# Altium PCB 主控.PcbDoc
Units mil, origin at the board's own origin, x right, y up, seen from the top; angles counter-clockwise.
Board outline 6692.91 x 3543.31 mil, 2 copper layers (Top Layer, Bottom Layer); 64 components, 87 nets, 357 pads, 104 vias.
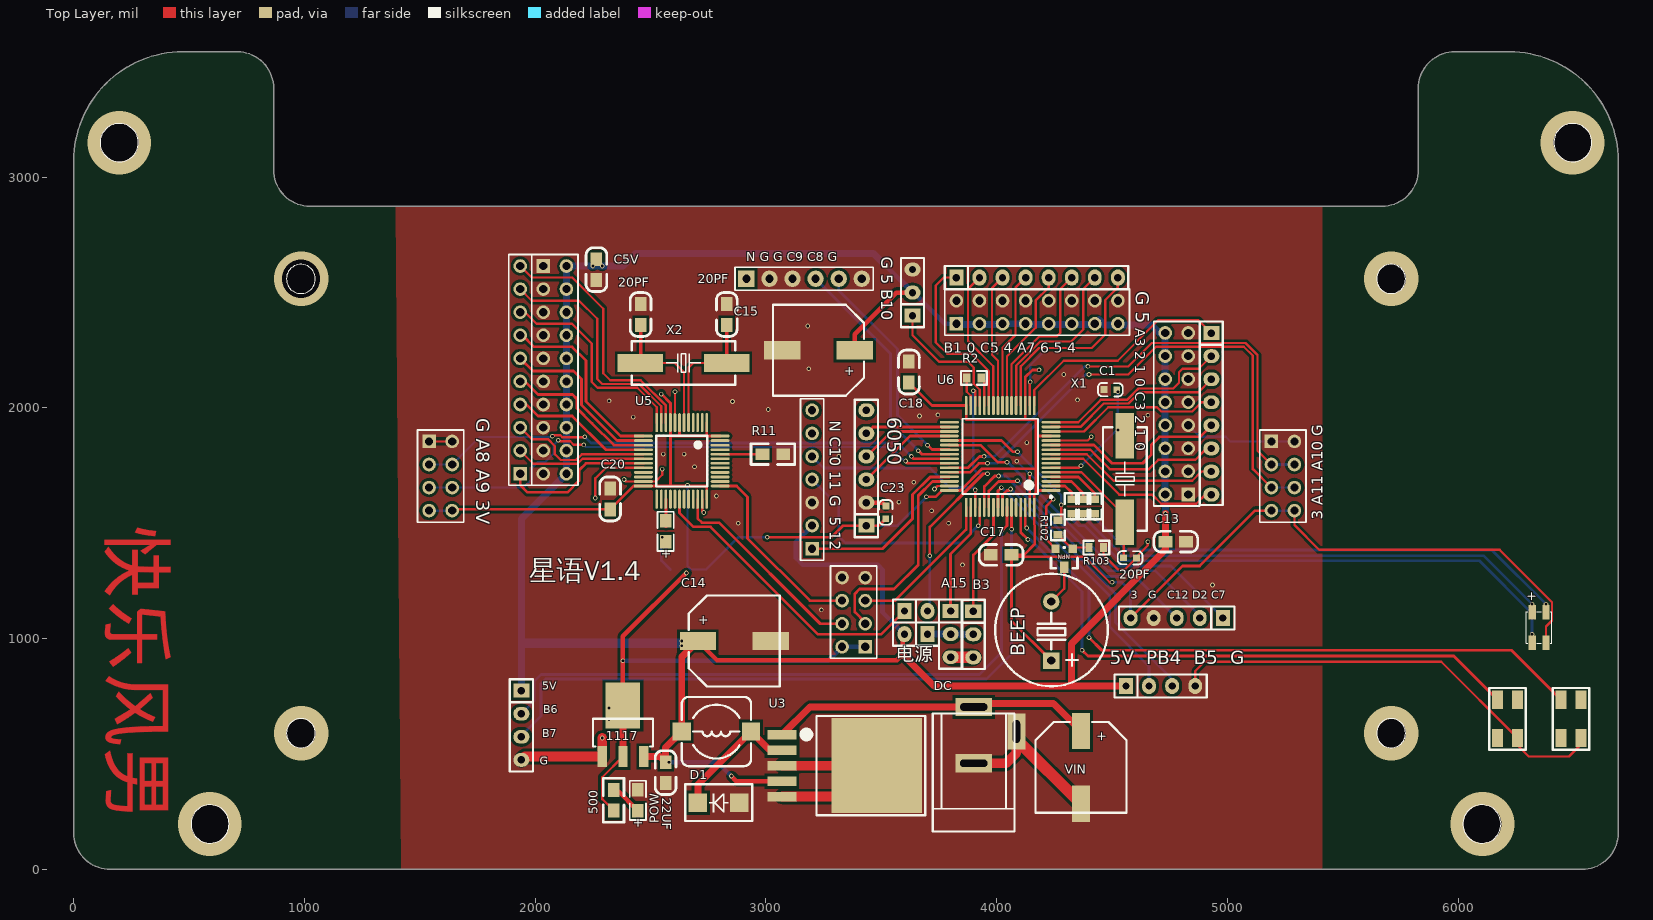
[diagram p0: Top Layer view]
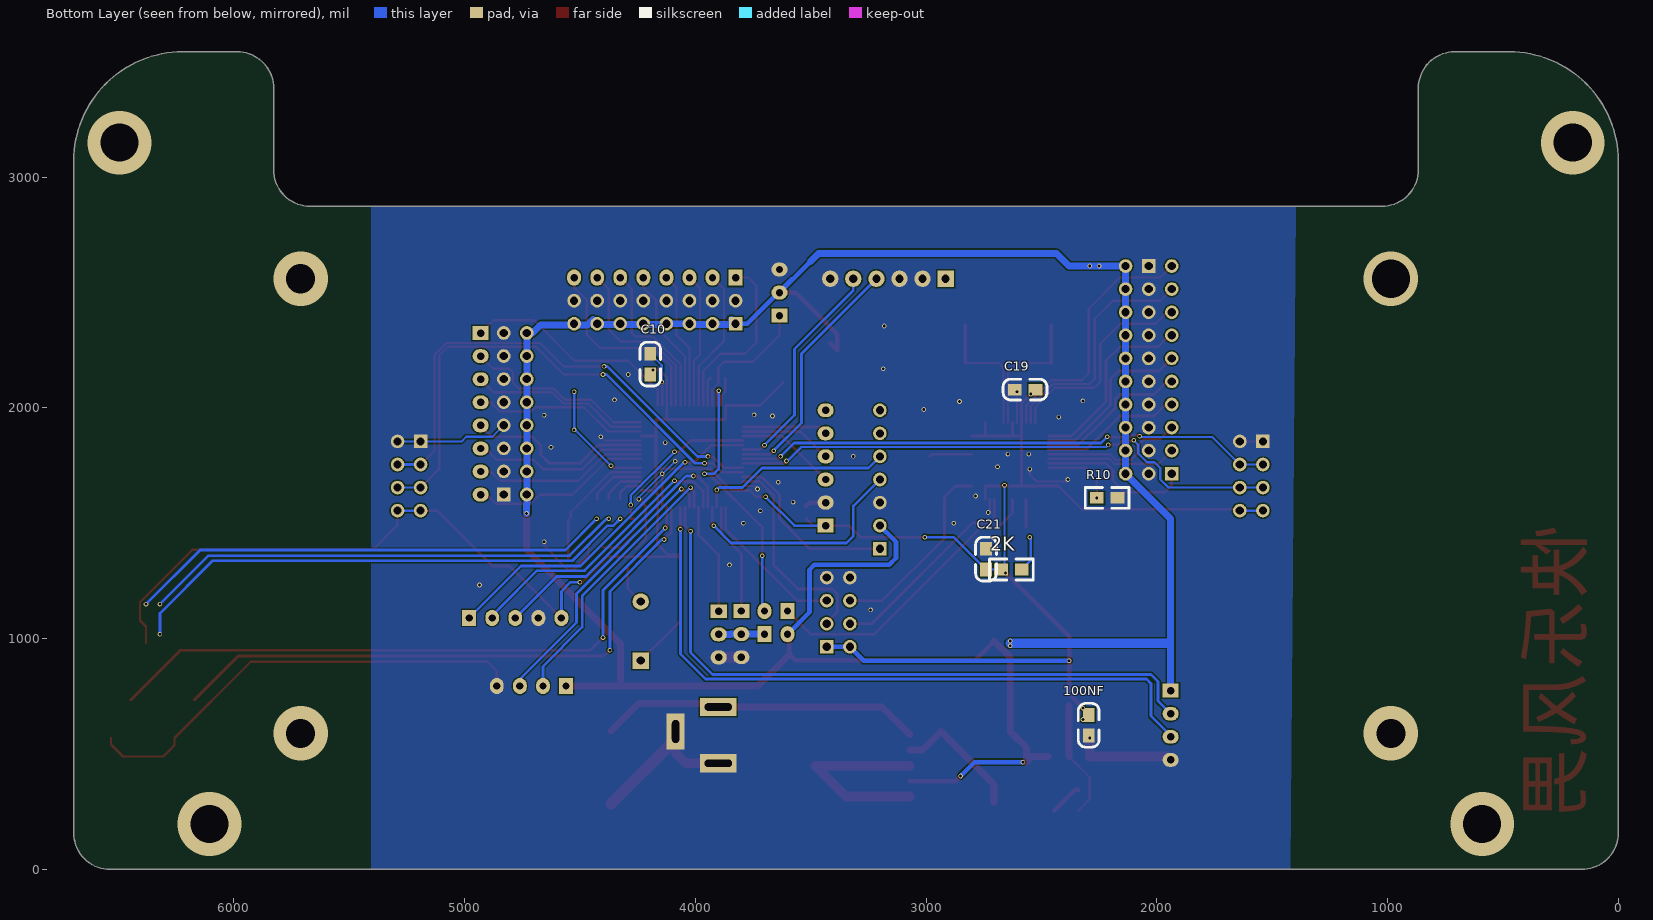
[diagram p1: Bottom Layer view, seen from below]

## Layer stack, top to bottom
Top Solder: solder mask 0.4, Solder Resist, Dk 3.5
Top Layer: signal copper 1.4
Dielectric 1: dielectric 12.6, FR-4, Dk 4.8
Bottom Layer: signal copper 1.4
Bottom Solder: solder mask 0.4, Solder Resist, Dk 3.5

## Board outline
157.73,0.25 cw(c157.73,157.73) 0.25,157.73 0.25,3071.12 cw(c472.69,3071.12) 472.69,3543.56 708.91,3543.56 cw(c708.91,3386.08) 866.39,3386.08 866.39,3031.75 ccw(c1023.87,3031.75) 1023.87,2874.27 5669.54,2874.27 ccw(c5669.54,3031.75) 5827.02,3031.75 5827.02,3386.08 cw(c5984.5,3386.08) 5984.5,3543.56 6220.72,3543.56 cw(c6220.72,3071.12) 6693.16,3071.12 6693.16,157.73 cw(c6535.68,157.73) 6535.68,0.25

## Design rules (kind name [scope] priority, off if disabled: settings)
Clearance Clearance_5 [InNamedPolygon('Top Layer-No Net1')] p1: gap=10 ignorepadtopadclearanceinfootprint=FALSE except(0: Arc-Hole Track-Hole SMDPad-Hole THPad-Hole Via-Hole Fill-Hole Poly-Hole Region-Hole Text-Hole)
Clearance Clearance_4 [InNamedPolygon('Top Layer-No Net')] p2: gap=12 ignorepadtopadclearanceinfootprint=FALSE
Clearance Clearance_3 [InNamedPolygon('GND_L01_P000')] p3: gap=12 ignorepadtopadclearanceinfootprint=FALSE
Clearance Clearance_2 [InNamedPolygon('Top Layer-No Net1')] p4 off: gap=6 ignorepadtopadclearanceinfootprint=FALSE
Clearance Clearance_1 [InNamedPolygon('Top Layer-GND')] p5 off: gap=6 ignorepadtopadclearanceinfootprint=FALSE
Clearance [All] p6: gap=6 ignorepadtopadclearanceinfootprint=FALSE
ComponentClearance [All] p1: gap=0 collisioncheckmode=3 verticalgap=0 showdistances=FALSE
HoleSize [All] p1 off: absolutevalues=TRUE maxlimit=200 minlimit=12 maxpercent=80.000 minpercent=20.000
HoleToHoleClearance [All] p1: gap=0 allowstackedmicrovias=TRUE
MinimumSolderMaskSliver [All] p1 off: minsoldermaskwidth=6
PolygonConnect PolygonConnect_26 [All] p1: connectstyle=Direct reliefconductorwidth=10 reliefentries=4 polygonreliefangle="90 Angle" airgapwidth=10
PolygonConnect PolygonConnect_25 [All] p2: connectstyle=Direct reliefconductorwidth=10 reliefentries=4 polygonreliefangle="90 Angle" airgapwidth=10
PolygonConnect PolygonConnect_24 [All] p3: connectstyle=Direct reliefconductorwidth=10 reliefentries=4 polygonreliefangle="90 Angle" airgapwidth=10
PolygonConnect PolygonConnect_23 [All] p4: connectstyle=Direct reliefconductorwidth=10 reliefentries=4 polygonreliefangle="90 Angle" airgapwidth=10
PolygonConnect PolygonConnect_22 [All vs IsNamedPolygon('Top Layer-No Net')] p5: thpad.connectstyle=Direct thpad.reliefconductorwidth=10 thpad.reliefentries=4 thpad.polygonreliefangle="90 Angle" thpad.airgapwidth=10 smdpad.connectstyle=Relief smdpad.reliefconductorwidth=10 smdpad.reliefentries=4 smdpad.polygonreliefangle="90 Angle" smdpad.airgapwidth=10 via.connectstyle=Relief via.reliefconductorwidth=10 via.reliefentries=4 via.polygonreliefangle="90 Angle" via.airgapwidth=10
PolygonConnect PolygonConnect_21 [All vs IsNamedPolygon('Top Layer-No Net')] p6: connectstyle=Direct reliefconductorwidth=10 reliefentries=4 polygonreliefangle="90 Angle" airgapwidth=10
PolygonConnect PolygonConnect_20 [All vs IsNamedPolygon('Top Layer-No Net1')] p7: connectstyle=Direct reliefconductorwidth=10 reliefentries=4 polygonreliefangle="90 Angle" airgapwidth=10
PolygonConnect PolygonConnect_19 [All vs IsNamedPolygon('Top Layer-No Net')] p8: connectstyle=Direct reliefconductorwidth=10 reliefentries=4 polygonreliefangle="90 Angle" airgapwidth=10
PolygonConnect PolygonConnect_18 [All vs IsNamedPolygon('Top Layer-No Net')] p9: connectstyle=Direct reliefconductorwidth=10 reliefentries=4 polygonreliefangle="90 Angle" airgapwidth=10
PolygonConnect PolygonConnect_17 [All vs IsNamedPolygon('Top Layer-No Net1')] p10: connectstyle=Direct reliefconductorwidth=10 reliefentries=4 polygonreliefangle="90 Angle" airgapwidth=10
PolygonConnect PolygonConnect_16 [All] p11: connectstyle=Direct reliefconductorwidth=10 reliefentries=4 polygonreliefangle="90 Angle" airgapwidth=10
PolygonConnect PolygonConnect_15 [All vs IsNamedPolygon('Top Layer-No Net')] p12: connectstyle=Direct reliefconductorwidth=10 reliefentries=4 polygonreliefangle="90 Angle" airgapwidth=10
PolygonConnect PolygonConnect_14 [All vs IsNamedPolygon('Top Layer-No Net1')] p13: connectstyle=Direct reliefconductorwidth=10 reliefentries=4 polygonreliefangle="90 Angle" airgapwidth=10
PolygonConnect PolygonConnect_13 [All vs IsNamedPolygon('Top Layer-No Net')] p14: connectstyle=Direct reliefconductorwidth=10 reliefentries=4 polygonreliefangle="90 Angle" airgapwidth=10
PolygonConnect PolygonConnect_12 [All vs IsNamedPolygon('Top Layer-No Net1')] p15: connectstyle=Direct reliefconductorwidth=10 reliefentries=4 polygonreliefangle="90 Angle" airgapwidth=10
PolygonConnect PolygonConnect_11 [All vs IsNamedPolygon('Top Layer-No Net')] p16: connectstyle=Direct reliefconductorwidth=10 reliefentries=4 polygonreliefangle="90 Angle" airgapwidth=10
PolygonConnect PolygonConnect_10 [All vs IsNamedPolygon('Top Layer-No Net')] p17: connectstyle=Direct reliefconductorwidth=10 reliefentries=4 polygonreliefangle="90 Angle" airgapwidth=10
PolygonConnect PolygonConnect_9 [All vs IsNamedPolygon('Top Layer-No Net')] p18: connectstyle=Direct reliefconductorwidth=10 reliefentries=4 polygonreliefangle="90 Angle" airgapwidth=10
PolygonConnect PolygonConnect_8 [All vs IsNamedPolygon('Top Layer-No Net')] p19: connectstyle=Direct reliefconductorwidth=10 reliefentries=4 polygonreliefangle="90 Angle" airgapwidth=10
PolygonConnect PolygonConnect_7 [All vs IsNamedPolygon('Top Layer-No Net')] p20: connectstyle=Direct reliefconductorwidth=10 reliefentries=4 polygonreliefangle="90 Angle" airgapwidth=10
PolygonConnect PolygonConnect_6 [All vs IsNamedPolygon('Top Layer-No Net')] p21: connectstyle=NoConnect reliefconductorwidth=10 reliefentries=4 polygonreliefangle="90 Angle" airgapwidth=10
PolygonConnect PolygonConnect_5 [All vs IsNamedPolygon('GND_L01_P000')] p22: connectstyle=NoConnect reliefconductorwidth=10 reliefentries=4 polygonreliefangle="90 Angle" airgapwidth=10
PolygonConnect PolygonConnect_4 [All vs IsNamedPolygon('GND_L01_P000')] p23: connectstyle=NoConnect reliefconductorwidth=10 reliefentries=4 polygonreliefangle="90 Angle" airgapwidth=10
PolygonConnect PolygonConnect_3 [All vs IsNamedPolygon('Top Layer-GND')] p24: connectstyle=Direct reliefconductorwidth=10 reliefentries=4 polygonreliefangle="90 Angle" airgapwidth=10
PolygonConnect PolygonConnect_2 [All vs IsNamedPolygon('Top Layer-No Net1')] p25: connectstyle=Direct reliefconductorwidth=10 reliefentries=4 polygonreliefangle="90 Angle" airgapwidth=10
PolygonConnect PolygonConnect_1 [All vs IsNamedPolygon('GND_L01_P000')] p26: connectstyle=Direct reliefconductorwidth=10 reliefentries=4 polygonreliefangle="90 Angle" airgapwidth=10
PolygonConnect [All] p27: connectstyle=Relief reliefconductorwidth=10 reliefentries=4 polygonreliefangle="90 Angle" airgapwidth=10
RoutingVias [All] p1: holewidth=12 width=20 viastyle="Through Hole" minholewidth=12 minwidth=20 maxholewidth=28 maxwidth=50
SilkToSilkClearance [All] p1 off: silktosilkclearance=2
SilkToSolderMaskClearance [IsPad] p1 off: minsilkscreentomaskgap=0 clearancetoexposedcopper=TRUE
SolderMaskExpansion [All] p1: expansion=4
Width [All] p1: maxlimit=50 minlimit=6 preferedwidth=10 bottomlayer_prefwidth=6 minimp=50.000000 maximp=50.000000 favimp=50.000000
24 further rules are at their usual default settings.

## Classes and differential pairs
component class Sheet1: 22UF 100NF 500 1117 "A3 2 1 0 C3 2 1 0" "B1 0 C5 4 A7 6 5 4" C1 C10 C13 C14 C15 C17 C18 C19 C20 C23 D1 DC pow R2 R10 R11 U3 U6 X1 X2

## Components (designator, comment, footprint, x,y, rotation, side; value= is the part's Value field where it differs from the comment)
2K "Comment" 0805R 2585,1300 r0 bottom
"3   G   C12 D2 C7" "Comment" "Pin HDR1X5/2.54mm-S" 4980,1090 r270 top
"3 A11 A10 G" "Pin HDR2X4" "Pin HDR2X4/2.54mm-S" 5190,1855 r270 top (schematic designator DJ2)
"5V  PB4  B5  G" "" "Pin HDR1X4/2.54mm-S" 4560,795 r90 top (schematic designator 斑马器2)
20PF "20PF" 0805C 2830.4,2449.29 r270 top (schematic designator C152)
20PF "20PF" 0805C 2457.12,2449.29 r270 top (schematic designator C78)
20PF "20PF" 0603C 4605.21,1349.65 r180 top (schematic designator C0)
22UF "220UF" 0805C 2564.6,375.71 r90 top (schematic designator C11)
100NF "CAP" 0805C 2295.4,580.71 r90 bottom (schematic designator C22)
500 "500" 0805R 2340,255 r90 top (schematic designator R1)
1117 "AMS1117" SOT223 2380,490 r0 top (schematic designator U4)
6050 "Comment" "Pin HDR1X6/2.54mm-S" 3435,1490 r180 top
"A3 2 1 0 C3 2 1 0" "Pin HDR1X8" "Pin HDR1X8/2.54mm-S" 4930,2324.53 r0 top (schematic designator ADC1)
A15 "" "Pin HDR1X3/2.54mm-S" 3800,1120 r0 top (schematic designator 涵道风扇)
ADC3 "Pin HDR1X10" "Pin HDR1X10/2.54mm-S" 1935,1715 r90 top
"B1 0 C5 4 A7 6 5 4" "Pin HDR1X8" "Pin HDR1X8/2.54mm-S" 3825,2565 r90 top (schematic designator ADC2)
B3 "" "Pin HDR1X3/2.54mm-S" 3898.42,1119.01 r0 top (schematic designator 涵道风扇)
BEEP "BEEP" "BEEP 6.5x12x6" 4236.26,905 r90 top
C1 "20PF" 0603C 4464.79,2080.35 r0 top
C5V "220UF" 0805C 2265,2555 r90 top (schematic designator C12)
C10 "CAP" 0805C 4194.6,2234.29 r270 bottom
C13 "220UF" 0805C 4820,1420 r180 top
C14 "330uf" SMD-EC10X10X10 3020,990 r180 top
C15 "330UF" SMD-EC10X10X10 3070.04,2250 r0 top
C17 "CAP" 0805C 3975,1363.42 r0 top
C18 "CAP" 0805C 3620,2200 r270 top
C19 "CAP" 0805C 2615,2080 r180 bottom
C20 "CAP" 0805C 2325,1650 r270 top
C21 "CAP" 0805C 2739.6,1389.29 r270 bottom
C23 "CAP" 0603C 3520.35,1575.21 r270 top
D1 "DIODE" SMB/DO-214AA 2885,290 r180 top
DC "DC_Socket" DC-005 3900,704.09 r270 top (schematic designator DC?)
DJ1 "Pin HDR2X4" "Pin HDR2X4/2.54mm-S" 1540,1855 r270 top
"G 5 B10" "Comment" "Pin HDR1X3/2.54mm-S" 3635,2400 r180 top
L? "INDUCTOR" CDRH74 2785,597.8 r180 top
"N G G C9 C8 G" "" HDR1X6 3165,2560 r0 top (schematic designator T1)
NPN "NPN" SOT-23 4295,1355 r180 top
POW "LED" LED-0805 2445,254.45 r90 top (schematic designator LED?)
POW1 "Pin HDR2X8" "Pin HDR2X8/2.54mm-S" 4830,1625 r90 top
POW2 "Pin HDR2X8" "Pin HDR2X8/2.54mm-S" 3825,2365 r0 top
POW3 "Pin HDR2X10" "Pin HDR2X10/2.54mm-S" 2035,2615 r270 top
R2 "10K" 0603R 3870,2130 r0 top
R10 "RES" 0805R 2260,1610 r180 bottom
R11 "RES" 0805R 3075,1800 r180 top
R102 "1K" 0603R 4265,1513.46 r270 top (schematic designator R1)
R103 "10K" 0603R 4462.99,1395 r180 top (schematic designator R10)
swd "Pin HDR2X4" "Pin HDR2X4/2.54mm-S" 3430,965 r90 top
U3 "LM2596-5.0" TO263-5A 3070,450 r270 top
U5 "STM32F103C8T6" "LQFP48 7X7" 2635,1770 r180 top
U6 "STM32F103RBT6" LQFP64_M 4015,1790 r180 top
VIN "330uf" SMD-EC10X10X10 4365,285 r90 top (schematic designator C16)
X1 "8M" "OSC HC-49SMD" 4555,1692.01 r90 top (schematic designator X?)
X2 "8M" "OSC HC-49SMD" 2642.99,2195 r180 top
电源 "" "Pin HDR1X2/2.54mm-S" 3700,1020 r270 top (schematic designator 电源跳线)
编码器1 "Pin HDR1X4" "Pin HDR1X4/2.54mm-S" 1940,775 r0 top
? "Comment" KEY_3x4x2.5 6445,570 r90 top
? "Comment" KEY_3x4x2.5 6170,570 r90 top
? "Comment" 0603R 4425,1604.58 r270 top
? "Comment" 0603R 4375,1605 r270 top
? "Comment" 0603R 4325,1605 r270 top
? "Comment" "LED  3528SMD" 6350,1045 r270 top
? "Comment" "Pin HDR1X2/2.54mm-S" 3600,1120 r90 top
? "Comment" HDR1X7 3200,1390 r90 top
? "Comment" LED-0805 2565,1420 r90 top

## Footprints (in the part's own frame and the unit in brackets; to place one, negate y for a bottom-side part, rotate by r counter-clockwise, add the part's x,y. Pads: shape width x height; smd on the part's side, far side on the other; paste and mask are expansions set on the pad)
0603C [mil]
  rect 30x30 smd: 1(0.21,-0.35) 2(55.21,-1.35)
  silkscreen extent -26,-30 81,28, body extent -1,-15 62,17, height 12
0603R [mm]
  rect 0.8x0.965 smd: 1(0,0) 2(1.6,0)
  silkscreen extent -0.64,-0.76 2.21,0.76, body extent -0.04,-0.41 1.56,0.41, height 0.45
0805C [mil]
  rect 60x50 smd: 1(-0.71,-0.4) 2(89.29,-0.4)
  silkscreen extent -51,-45 139,45, body extent 6,-25 84,25, height 31
0805R [mil]
  rect 60x50 smd: 1(0,0) 2(90,0)
  silkscreen extent -50,-45 140,45, body extent 1,-25 80,25, height 15
"BEEP 6.5x12x6" [mm]
  rect 1.8x1.8 hole 0.9: 1(0,0)
  round 1.8 hole 0.9: 2(6.5,0)
  silkscreen extent -2.82,-6.22 9.57,6.18, body extent -2.7,-5.97 9.3,6.03, height 6.05
CDRH74 [mm] "7.3*7.3*4.5mm（长宽高）"
  rect 2x2 smd: 1(-3.81,0) 2(3.81,0)
  silkscreen extent -3.81,-3.81 3.81,3.81, body extent -3.65,-3.62 3.65,3.68, height 4.5
DC-005 [mm] "5.5X2.1mm"
  rect 2x4 hole 0.8 slot 3 at 90 deg: 1(0,0) 2(6.2,0)
  rect 4x2 hole 0.8 slot 2.5 at 0 deg: 3(2.7,4.7)
  silkscreen extent 0.72,-4.5 13.7,4.5, body extent -0.4,-4.52 13.65,4.78, height 11.2
HDR1X6 [mm]
  rect 1.8x1.8 hole 0.9: 1(-6.35,0)
  round 1.8 hole 0.9: 2(-3.81,0) 3(-1.27,0) 4(1.27,0) 5(3.81,0) 6(6.35,0)
  silkscreen extent -7.62,-1.27 7.62,1.27, body extent -7.62,-1.27 7.62,1.27, height 8.54
HDR1X7 [mm] "Connector; Header; 7 Position"
  rect 1.5x1.5 hole 0.9: 1(0,0)
  round 1.5 hole 0.9: 2(2.54,0) 3(5.08,0) 4(7.62,0) 5(10.16,0) 6(12.7,0) 7(15.24,0)
  silkscreen extent -1.27,-1.27 16.51,1.27
KEY_3x4x2.5 [mm]
  rect 2x1.2 smd: 1(0,0) 2(4.2,0) 3(0,-2.2) 4(4.2,-2.2)
  silkscreen extent -1.3,-3.1 5.5,0.9, body extent -0.35,-2.7 4.55,0.5, height 2.51
"LED  3528SMD" [mm]
  rect 1.6x0.8 smd: B(-1.79,0.758) C(-1.79,-0.742) G(1.61,0.758) R(1.61,-0.742)
  silkscreen extent -1.84,-1.39 1.66,1.41
LED-0805 [mm]
  rect 1.5x1.27 smd: 1(0,0) 2(2.3,0)
  silkscreen extent -1,-0.9 3.3,0.9
"LQFP48 7X7" [mm]
  oval 0.3x2.1 smd: 1(-2.75,-4.227) 2(-2.25,-4.227) 3(-1.75,-4.227) 4(-1.25,-4.227) 5(-0.75,-4.227) 6(-0.25,-4.227) 7(0.25,-4.227) 8(0.75,-4.227) 9(1.25,-4.227) 10(1.75,-4.227) 11(2.25,-4.227) 12(2.75,-4.227) 25(2.75,4.202) 26(2.25,4.202) 27(1.75,4.202) 28(1.25,4.202) 29(0.75,4.202) 30(0.25,4.202) 31(-0.25,4.202) 32(-0.75,4.202) 33(-1.25,4.202) 34(-1.75,4.202) 35(-2.25,4.202) 36(-2.75,4.202)
  oval 2.1x0.3 smd: 13(4.227,-2.75) 14(4.227,-2.25) 15(4.227,-1.75) 16(4.227,-1.25) 17(4.227,-0.75) 18(4.227,-0.25) 19(4.227,0.25) 20(4.227,0.75) 21(4.227,1.25) 22(4.227,1.75) 23(4.227,2.25) 24(4.227,2.75) 37(-4.227,2.75) 38(-4.227,2.25) 39(-4.227,1.75) 40(-4.227,1.25) 41(-4.227,0.75) 42(-4.227,0.25) 43(-4.227,-0.25) 44(-4.227,-0.75) 45(-4.227,-1.25) 46(-4.227,-1.75) 47(-4.227,-2.25) 48(-4.227,-2.75)
  silkscreen extent -2.79,-2.79 2.79,2.79, body extent -4.51,-4.5 4.5,4.5, height 1.45
LQFP64_M [mm] "Thin QFP, 64-Leads, Body 10x10mm, Pitch 0.5mm, IPC Low Density"
  oval 2.1x0.3 smd: 1(-5.6,3.75) 2(-5.6,3.25) 3(-5.6,2.75) 4(-5.6,2.25) 5(-5.6,1.75) 6(-5.6,1.25) 7(-5.6,0.75) 8(-5.6,0.25) 9(-5.6,-0.25) 10(-5.6,-0.75) 11(-5.6,-1.25) 12(-5.6,-1.75) 13(-5.6,-2.25) 14(-5.6,-2.75) 15(-5.6,-3.25) 16(-5.6,-3.75) 33(5.6,-3.75) 34(5.6,-3.25) 35(5.6,-2.75) 36(5.6,-2.25) 37(5.6,-1.75) 38(5.6,-1.25) 39(5.6,-0.75) 40(5.6,-0.25) 41(5.6,0.25) 42(5.6,0.75) 43(5.6,1.25) 44(5.6,1.75) 45(5.6,2.25) 46(5.6,2.75) 47(5.6,3.25) 48(5.6,3.75)
  oval 0.3x2.1 smd: 17(-3.75,-5.6) 18(-3.25,-5.6) 19(-2.75,-5.6) 20(-2.25,-5.6) 21(-1.75,-5.6) 22(-1.25,-5.6) 23(-0.75,-5.6) 24(-0.25,-5.6) 25(0.25,-5.6) 26(0.75,-5.6) 27(1.25,-5.6) 28(1.75,-5.6) 29(2.25,-5.6) 30(2.75,-5.6) 31(3.25,-5.6) 32(3.75,-5.6) 49(3.75,5.6) 50(3.25,5.6) 51(2.75,5.6) 52(2.25,5.6) 53(1.75,5.6) 54(1.25,5.6) 55(0.75,5.6) 56(0.25,5.6) 57(-0.25,5.6) 58(-0.75,5.6) 59(-1.25,5.6) 60(-1.75,5.6) 61(-2.25,5.6) 62(-2.75,5.6) 63(-3.25,5.6) 64(-3.75,5.6)
  silkscreen extent -5.72,-4.15 4.15,4.57, body extent -5,-5 5,5, height 1.6
"OSC HC-49SMD" [mm]
  rect 5x2 smd: 1(-4.75,0) 2(4.75,0)
  silkscreen extent -5.7,-2.4 5.7,2.4, body extent -6.37,-2.41 6.63,2.24, height 4.63
"Pin HDR1X2/2.54mm-S" [mil]
  rect 70x60 hole 32: 1(0,0)
  oval 70x60 hole 32: 2(0,-100)
  silkscreen extent -50,-150 50,50, body extent -50,-150 50,50, height 336
"Pin HDR1X3/2.54mm-S" [mil]
  rect 70x60 hole 32: 1(0,0)
  oval 70x60 hole 32: 2(0,-100) 3(0,-200)
  silkscreen extent -50,-250 50,50, body extent -50,-250 50,50, height 336
"Pin HDR1X4/2.54mm-S" [mil]
  rect 70x60 hole 32: 1(0,0)
  oval 70x60 hole 32: 2(0,-100) 3(0,-200) 4(0,-300)
  silkscreen extent -50,-350 50,50, body extent -50,-350 50,50, height 336
"Pin HDR1X5/2.54mm-S" [mil]
  rect 70x60 hole 32: 1(0,0)
  oval 70x60 hole 32: 2(0,-100) 3(0,-200) 4(0,-300) 5(0,-400)
  silkscreen extent -50,-450 50,50, body extent -50,-450 50,50, height 336
"Pin HDR1X6/2.54mm-S" [mil]
  rect 70x60 hole 32: 1(0,0)
  oval 70x60 hole 32: 2(0,-100) 3(0,-200) 4(0,-300) 5(0,-400) 6(0,-500)
  silkscreen extent -50,-545 50,50, body extent -50,-545 50,55, height 336
"Pin HDR1X8/2.54mm-S" [mil]
  rect 70x60 hole 32: 1(0,0)
  oval 70x60 hole 32: 2(0,-100) 3(0,-200) 4(0,-300) 5(0,-400) 6(0,-500) 7(0,-600) 8(0,-700)
  silkscreen extent -50,-745 50,50, body extent -50,-750 50,50, height 336
"Pin HDR1X10/2.54mm-S" [mm]
  rect 1.5x1.5 hole 0.9: 1(0,0)
  round 1.5 hole 0.9: 2(2.54,0) 3(5.08,0) 4(7.62,0) 5(10.16,0) 6(12.7,0) 7(15.24,0) 8(17.78,0) 9(20.32,0) 10(22.86,0)
  silkscreen extent -1.27,-1.27 24.13,1.27, body extent -1.27,-1.27 24.13,1.27, height 7.58
"Pin HDR2X4/2.54mm-S" [mm] "Connector; Header; 4x2 Position"
  rect 1.5x1.5 hole 0.9: 1(0,0)
  round 1.5 hole 0.9: 2(0,2.54) 3(2.54,0) 4(2.54,2.54) 5(5.08,0) 6(5.08,2.54) 7(7.62,0) 8(7.62,2.54)
  silkscreen extent -1.27,-1.27 8.89,3.81, body extent -1.27,-1.27 8.89,3.81, height 7.58
"Pin HDR2X8/2.54mm-S" [mm] "Connector; Header; 8x2 Position"
  rect 1.5x1.5 hole 0.9: 1(0,0)
  round 1.5 hole 0.9: 2(0,2.54) 3(2.54,0) 4(2.54,2.54) 5(5.08,0) 6(5.08,2.54) 7(7.62,0) 8(7.62,2.54) 9(10.16,0) 10(10.16,2.54) 11(12.7,0) 12(12.7,2.54) 13(15.24,0) 14(15.24,2.54) 15(17.78,0) 16(17.78,2.54)
  silkscreen extent -1.27,-1.27 19.05,3.81, body extent -1.27,-1.27 19.05,3.81, height 7.58
"Pin HDR2X10/2.54mm-S" [mm] "Connector; Header; 10x2 Position"
  rect 1.5x1.5 hole 0.9: 1(0,0)
  round 1.5 hole 0.9: 2(0,2.54) 3(2.54,0) 4(2.54,2.54) 5(5.08,0) 6(5.08,2.54) 7(7.62,0) 8(7.62,2.54) 9(10.16,0) 10(10.16,2.54) 11(12.7,0) 12(12.7,2.54) 13(15.24,0) 14(15.24,2.54) 15(17.78,0) 16(17.78,2.54) 17(20.32,0) 18(20.32,2.54) 19(22.86,0) 20(22.86,2.54)
  silkscreen extent -1.27,-1.27 24.13,3.81, body extent -1.27,-1.27 24.13,3.81, height 7.58
SMB/DO-214AA [mil] "塑封二极管"
  rect 80x80 smd: A(0,0) K(180,0)
  silkscreen extent -55,-80 235,80, body extent -20,-79 200,75, height 98
SMD-EC10X10X10 [mm]
  rect 4x2 smd: 1(8,0) 2(0,0)
  silkscreen extent -1,-5 9,5, body extent -1.86,-5.12 9.74,5.18, height 10.2
SOT223 [mil]
  rect 40x90 smd: 1(-90,0) 2(0,0) 3(90,0)
  rect 150x200 smd: 2(0,220)
  silkscreen extent -130,43 130,163, body extent -130,-30 126,246, height 65
SOT-23 [mil]
  rect 36x36 smd: B(-35,-35) E(40,-35)
  rect 36x50 smd: C(3,45)
  silkscreen extent -55,-40 60,50, body extent -54,-48 60,62, height 47
TO263-5A [mm] "263，5脚晶体管"
  rect 1.05x3.2 smd: 1(-3.4,0) 2(-1.7,0) 3(0,0) 4(1.7,0) 5(3.4,0)
  rect 10.45x10 smd: 3(0,10.414)
  silkscreen extent -5.46,2.29 5.46,15.75, body extent -5.05,0.45 4.95,13.78, height 4.5

## Part data
"5V  PB4  B5  G": library part "Pin HDR1X4"
20PF 20PF 20PF 22UF C1 C5V C13: library part CAP, "无极性电容"
100NF C10 C17 C18 C19 C20 C21 C23: "无极性电容"
500 R2 R102 R103: library part RES
1117: "三端稳压芯片"
A15 B3: library part "Pin HDR1X3"
BEEP: "蜂鸣器"
C14 C15 VIN: library part SMD_ECAP, "贴片电解电容"
D1: "普通二极管"
"N G G C9 C8 G": library part HDR-1X6, "排针"
NPN: "NPN三极管"
POW: library part LED0805, "LED0805"
U3: "DC降压芯片"
U6: "STM32 ARM-based 32-bit MCU with 128 Kbytes Flash, 64-pin LQFP, Industrial Temperature", ComponentLink1Description="Manufacturer Link", ComponentLink1URL=www.st.com/stm32, ComponentLink2Description=Datasheet, ComponentLink2URL=http://www.st.com/stonline/products/literature/ds/13587.pdf, DatasheetVersion="rev6, Mar-2008", PackageDescription="64-Pin Low-Profile Quad Flat Pack, 10 x 10 mm Body, 0.5 mm Pitch (LQFP64)", PackageReference=LQFP64, PackageVersion=Mar-2008, Published=30-May-2008, Publisher="Altium Limited"
X1 X2: library part XTAL-2P, "2脚无源脚晶振"
电源: library part "Pin HDR1X2"

## Via types
v1: diameter 20, hole 12, Top Layer to Bottom Layer, 96 vias
v2: diameter 275.59, hole 165.35, Top Layer to Bottom Layer, 4 vias
v3: diameter 236.22, hole 125.98, Top Layer to Bottom Layer, 3 vias
v4: diameter 236.22, hole 165.35, Top Layer to Bottom Layer, 1 vias

## Nets (pads, with @x,y where several pads share a name; then routed paths per layer and width w, separated by ;. In a path a pad name is that pad's centre, name@x,y a point inside that pad or via, vN(x,y) a via of type N, cw(c..) or ccw(c..) an arc to the next point about the centre after c; other vN are vias at no path point)
3.3V: 2K.2 100NF.2 500.1 1117.2 6050.1 "3   G   C12 D2 C7.5" "3 A11 A10 G.7" "3 A11 A10 G.8" ?.G BEEP.1 C10.2 C17.2 C18.2 C19.2 C20.2 C21.2 C23.2 DJ1.7 DJ1.8 swd.1 swd.2 U5.1 U5.7 U5.9 U5.24 U5.36 U5.48 U6.1 U6.13 U6.19 U6.32 U6.48 U6.64 | length 11845.4
  Top Layer w10: 500.1 2290,305 2290,400 1117.2@2380,490 ; C17.2@4064.29,1343.34 4075.95,1355 4380,1355 4490,1245 v1@4498.76,1245 ; 5290,1555 5290,1492.33 5397.33,1385 6180,1385 6406.58,1158.42 6406.58,1079.42 6379.83,1052.67 ?.G
  Top Layer w12: DJ1.8 1645.71,1560.71 C20.2 2425.63,1661.73 U5.24 2585,1661.73 ; v1(2546.42,2060) 2585.79,2020.63 U5.9 2585.79,1875 ; U5.7 2625.16,1878.27 ; U5.36 2743.27,1659.61 2741.14,1661.73 2585,1661.73 ; U5.1 2743.27,1880 2745,1878.27 ; U5.48 2745,1878.27 ; v1(3005,1440) 3285,1440 3335,1490 6050.1 3489,1490 C23.2 ; C18.2 3719.83,2010.47 U6.32 3867.36,1950 4123.27,1950 ; v1(3695,1615) 3735,1615 3762.36,1642.36 U6.48 3842.36,1642.36 3937,1737 4167,1737 4170,1740 ; U6.64@4162.64,1564.53 4164.71,1420 4164.71,1409.71 4118.02,1363.02 C17.2 4064.29,1343.34 4064.29,1076.97 BEEP.1 ; U6.64 4162.64,1625 4171.32,1633.68 ; v1(4183.41,2165) 4155,2165 4123,2133 4123,2010.74 U6.19 4123.27,1950 ; U6.1 4180,1642.36 4171.32,1633.68 ; U6.13 4170,1878.58 ; v1@4498.76,1245 v1(4500,1245) ; 4580,1090 4805,1315 4879.47,1315 5119.47,1555 5190,1555 ; 2585,1661.73 2585.79,1662.52 2585.79,1875 ; 2585.79,1875 2589.06,1878.27 2625.16,1878.27 ; 2625.16,1878.27 2745,1878.27 ; 4123.27,1950 4170,1950 4170,1878.58 ; 4170,1740 4170,1878.58 ; 4170,1740 4170,1635 4171.32,1633.68
  Top Layer w20: v1(2320,700) 2380,760 v1(2380,905) 2380,1010 v1(2655,1285)
  Top Layer w30: 1117.2@2380,490 1117.2@2380,710
  Bottom Layer w10: v1(2660,1665) 2660,1315 2K.2 C21.2
  Bottom Layer w12: DJ1.7 DJ1.8 ; C21.2 2880,1440 v1(3005,1440) ; 6050.1 3569.76,1490 3694.76,1615 v1(3695,1615) ; v1(4500,1245) 4540,1245 4580,1205 4580,1090 ; 5190,1555 5290,1555
  Bottom Layer w20: v1(2380,905) 3270,905 swd.2 swd.1
  other v1: 2320,650
5.1V: A15.2 B3.2 电源.1 | length 198.8
  Bottom Layer w30: 电源.1 A15.2 3848,1020 3848.99,1019.01 B3.2
5V: 22UF.2 1117.3 "5V  PB4  B5  G.1" "G 5 B10.2" ?.2@3200,1490 C5V.2 C13.2 C14.1 C15.1 L?.2 POW1.2 POW1.4 POW1.6 POW1.8 POW1.10 POW1.12 POW1.14 POW1.16 POW2.1 POW2.3 POW2.5 POW2.7 POW2.9 POW2.11 POW2.13 POW2.15 POW3.2 POW3.4 POW3.6 POW3.8 POW3.10 POW3.12 POW3.14 POW3.16 POW3.18 POW3.20 U3.4 电源.2 编码器1.1 | length 11766.3
  Top Layer w10: ?.2@3195,1490 ?.2@3200,1490
  Top Layer w20: C14.1 2787.57,907.47 3567.47,907.47 3592,932 3592,1012 电源.2 ; v1(2850,405) 2871.93,383.07 U3.4 ; C15.1@3415,2280 C15.1 3385,2320 3565,2500 3635,2500
  Top Layer w30: 1117.3 2541.1,490 22UF.2@2565,466.1 ; 22UF.2 22UF.2@2565,466.1 ; C14.1 2635,919.96 L?.2 2565,527.8 22UF.2@2565,466.1 ; 3592,932 3729,795 4323.27,795 ; 4560,795 4323.27,795 ; v1(4730.71,1543) C13.2 4730.71,1385.71 4323.27,978.27 4323.27,795
  Bottom Layer w20: v1(2580,465) 2790,465 v1(2850,405) ; ?.2@3200,1490 3130,1420 3130,1350 3160,1320 3483.58,1320 3505,1298.58 3505,1115 电源.2 ; 3500,2635 3635,2500 ; 3580,2560 3775,2365 POW2.1
  Bottom Layer w30: 编码器1.1 1940,1520 POW3.20 POW3.18 POW3.16 POW3.14 POW3.12 POW3.10 POW3.8 POW3.6 POW3.4 POW3.2 v1(2250,2615) v1(2290,2615) 2380,2615 2435,2670 3465,2670 3500,2635 ; POW2.1 POW2.1@3843.47,2383.47 ; POW2.1@3842.97,2362.5 4022.5,2362.5 POW2.5 4122.5,2365 4125,2362.5 4427.5,2362.5 POW2.13 4443.47,2383.47 4466.94,2360 4670,2360 4705,2325 POW1.16 POW1.14 POW1.12 POW1.10 POW1.8 POW1.6 POW1.4 POW1.2 4730,1584.41 4730.71,1583.71 v1(4730.71,1543)
  Bottom Layer w40: 1945,980 2635,980
  other v1: 2635,970 2635,990
B: NPN.B R102.2 R103.2 | length 158
  Top Layer w10: R102.2 4320.47,1395 R103.2
BEEP: BEEP.2 NPN.C | length 172.2
  Top Layer w10: BEEP.2 4292,1216.65 NPN.C
BOOT0: U6.60
BOOT1: R2.2 U6.28 | length 125
  Top Layer w12: R2.2 3946.1,2116.89 U6.28
GND: 20PF.1 22UF.1 100NF.1 1117.1 6050.2 "3   G   C12 D2 C7.4" "3 A11 A10 G.1" "3 A11 A10 G.2" "5V  PB4  B5  G.4" "G 5 B10.3" "N G G C9 C8 G.2" "N G G C9 C8 G.3" "N G G C9 C8 G.6" ?.3 A15.3 B3.3 C1.1 C5V.1 C10.1 C13.1 C14.2 C15.2 C17.1 C18.1 C19.1 C20.1 C21.1 C23.1 D1.A DC.2 DC.3 DJ1.1 DJ1.2 NPN.E POW1.1 POW1.3 POW1.5 POW1.7 POW1.9 POW1.11 POW1.13 POW1.15 POW2.2 POW2.4 POW2.6 POW2.8 POW2.10 POW2.12 POW2.14 POW2.16 POW3.1 POW3.3 POW3.5 POW3.7 POW3.9 POW3.11 POW3.13 POW3.15 POW3.17 POW3.19 POW.2 R2.1 R10.2 R11.1 R103.1 swd.7 swd.8 U3.3 U3.5 U5.8 U5.23 U5.35 U5.47 U6.12 U6.18 U6.31 U6.47 U6.63 VIN.2 编码器1.4 | length 6733.4
  Top Layer w10: DJ1.1 DJ1.2 ; v1(2385,1690) 2393.58,1681.42 U5.23 2520.72,1681.42 2550,1710.7 v1(2550,1735) ; U5.8 v1(2605.47,2070) ; v1(3730,1649) 3743.05,1662.05 U6.47 ; R2.1 3870,2070 3887.05,2052.95 U6.31 ; U6.63 v1(4142.95,1715) ; U6.18 4142.95,2114.84 v1(4145,2112.79) ; U6.12 4393.9,1858.9 v1(4410,1875) ; v1(4245,1605) 4215,1575 4215,1430 NPN.E ; R103.1 4462.99,1362.48 4525.47,1300 4555,1300 4605,1350 4605,1354.71 4655,1404.71 v1(4655,1420) ; 4860,795 4860,860 4900,900 5926.61,900 6256.61,570 6256.61,538.39 6305,490 6480,490 6531.61,541.61 ?.3@6531.61,570
  Top Layer w12: U5.35 2723.58,1553.42 v1(2730,1547)
  Top Layer w20: 6050.2 3505,1590 C23.1
  Top Layer w42: 编码器1.4 1955,490 1117.1 v1(2290,570) ; U3.5 3346.14,316.14 3480,450 U3.3@3070,450 ; DC.2 4040,460 4085.04,505.04 DC.3@4085.04,564.96
  Top Layer w50: A15.3 3800.99,919.01 B3.3 ; DC.3 4085.04,564.96 VIN.2
  Bottom Layer w10: v1(4086.63,1769.06) 4140.68,1715 v1(4142.95,1715) 4245,1612.95 v1(4245,1605) ; v1(4145,2112.79) 4145,2185 C10.1 ; POW1.7 4880,1875 4992.24,1875 5012.24,1855 5190,1855 5290,1855
  other v1: 3240,1125 4935,1232.76 3851.42,1320 2879.87,1500.84 3791.33,1500.84 3717.67,1555 3576.06,1592.08 2785,1618.58 3640,1678.33 2690,1745 3315,1790 2555,1800 2645,1800 4625,1830 4130,1850 2425,1960.38 3665,1965 4655,1968.46 3745,1970 3010,1993.14 2855,2028.12 2320,2030.46 4350,2035 4290,2145 3185,2170 3181.17,2355
IN0: ADC3.10 U5.10 | length 1119.7
  Top Layer w10: ADC3.10 1985,2565 2160,2565 2295,2430 2295,2150 2325,2120 2456.72,2120 2566.1,2010.62 U5.10
IN1: ADC3.9 U5.11 | length 1045.7
  Top Layer w10: ADC3.9 1985,2465 2190,2465 2268.42,2386.58 2268.42,2125.58 2290,2104 2450.09,2104 2546.42,2007.67 U5.11
IN2: ADC3.8 U5.12 | length 926.8
  Top Layer w10: ADC3.8 1935,2414.39 1955.67,2414.39 2005.06,2365 2159.1,2365 2245,2279.1 2245,2113 2270,2088 2442,2088 2526.73,2003.27 U5.12
IN3: ADC3.7 U5.13 | length 817.8
  Top Layer w12: ADC3.7 1945,2315 1995,2265 2160,2265 2220,2205 2220,2028.58 2370.31,1878.27 U5.13
IN4: ADC3.6 U5.14 | length 746.6
  Top Layer w12: ADC3.6 1990,2160 2165,2160 2200,2125 2200,2013.42 2354.84,1858.58 U5.14
IN5: ADC3.5 U5.15 | length 671.7
  Top Layer w12: ADC3.5 1955.06,2115 2011.59,2058.47 2161.53,2058.47 2180,2040 2180,1999.53 2246.21,1933.32 2340.63,1838.9 U5.15
IN6: ADC3.4 U5.16 | length 614.7
  Top Layer w12: ADC3.4 1961.59,2015 2011.59,1965 2160,1965 2305.79,1819.21 U5.16
IN7: ADC3.3 U5.17 | length 622.7
  Top Layer w10: ADC3.3 1985,1865 2055,1865 2085,1835 2085,1800 2110.53,1774.47 2177,1774.47 2202.06,1799.53 U5.17
IN8: ADC3.2 U5.18 | length 565.8
  Top Layer w10: ADC3.2 1991.53,1758.47 2183.63,1758.47 2205,1779.84 U5.18
IN9: ADC3.1 U5.19 | length 674.3
  Top Layer w12: ADC3.1 1935,1665.67 1966.31,1634.36 2139.36,1634.36 2190,1685 2190,1730 2220.16,1760.16 U5.19
NetC0_2: 20PF.2@4550,1351 U6.5 X1.1 | length 577.5
  Top Layer w10: U6.5 4367.17,1721.1 4540,1548.27 4540,1525.63 4550,1515.63 4550,1505 20PF.2@4550,1351
NetC1_2: C1.2 U6.6 X1.2 | length 523.7
  Top Layer w10: U6.6@4236.26,1740 U6.6 4355.79,1740.79 v1(4365,1750)
  Bottom Layer w10: v1(4365,1750) 4520,1905 v1(4525,1905) v1(4525,2070)
NetC78_2: 20PF.2@2456.72,2360 U5.6 X2.2 | length 589.4
  Top Layer w10: X2.2 2605,2195 2644.84,2155.16 U5.6
  Top Layer w15: X2.2 2456.72,2195.73 20PF.2@2456.72,2360
NetC152_2: 20PF.2@2830,2360 U5.5 X2.1 | length 577.5
  Top Layer w10: U5.5 2664.53,2175.23 2684.29,2195 X2.1
  Top Layer w15: X2.1 20PF.2@2830,2360
NetD1_K: D1.K L?.1 U3.2 | length 571.6
  Top Layer w30: D1.K 2705,367.8 L?.1 3015.87,516.93 U3.2
NetLED?_1: 500.2 POW.1 | length 142.5
  Top Layer w20: 500.2 2354.45,345 POW.1
NetR10_1: R10.1 U5.20 | length 312.4
  Top Layer w11: v1(2260,1610) 2260,1695 2305.47,1740.47 U5.20
NetR11_2: R11.2 U5.44 | length 187.5
  Top Layer w11: U5.44 2975.47,1799.53 2980,1795 R11.2@2985,1790
PA0: "A3 2 1 0 C3 2 1 0.4" U6.14 | length 762.2
  Top Layer w10: U6.14 4378.27,1898.27 4483,2003 4694.69,2003 4713.21,1984.47 4846.79,1984.47 4886.84,2024.53 4930,2024.53
PA1: "A3 2 1 0 C3 2 1 0.3" U6.15 | length 780.1
  Top Layer w10: U6.15 4362.95,1917.95 4464,2019 4571.1,2019 4620.57,2068.47 4873.94,2068.47 4930,2124.53
PA2: "A3 2 1 0 C3 2 1 0.2" U6.16 | length 839.7
  Top Layer w10: U6.16 4353.11,1937.64 4450.47,2035 4564.47,2035 4613.94,2084.47 4764.47,2084.47 4789.47,2109.47 4789.47,2154.47 4805,2170 4875.47,2170 4930,2224.53
PA3: "A3 2 1 0 C3 2 1 0.1" U6.17 | length 982.7
  Top Layer w10: U6.17 4162.64,2077.64 4290,2205 4524.23,2205 4699.23,2380 4874.53,2380 4930,2324.53
PA4: "B1 0 C5 4 A7 6 5 4.8" U6.20 | length 863.1
  Top Layer w10: U6.20 4103.58,2180.17 4183.41,2260 4412.16,2260 4470,2317.84 4470,2467.32 4502.68,2500 4525,2522.31 4525,2565
PA5: "B1 0 C5 4 A7 6 5 4.7" U6.21 | length 774.4
  Top Layer w10: U6.21 4083.9,2183.11 4188.63,2287.84 4322.84,2287.84 4375,2340 4375,2515 4425,2565
PA6: "B1 0 C5 4 A7 6 5 4.6" U6.22 | length 706.5
  Top Layer w10: U6.22 4064.21,2189.21 4184.47,2309.47 4259.47,2309.47 4275,2325 4275,2515 4325,2565
PA7: "B1 0 C5 4 A7 6 5 4.5" U6.23 | length 629.3
  Top Layer w10: U6.23 4044.53,2224.06 4168.47,2348 4168.47,2465.79 4225,2522.31 4225,2565
PA8: DJ1.3 DJ1.4 U6.41 | length 2350.6
  Top Layer w10: v1(2074.55,1877.24) 2079.31,1882 2109.11,1882 2117.64,1873.47 2213.47,1873.47 v1(2215,1875)
  Top Layer w12: v1(3630,1790) 3639.84,1780.16 U6.41
  Bottom Layer w10: DJ1.3 DJ1.4 1759.47,1874.47 2071.79,1874.47 v1(2074.55,1877.24)
  Bottom Layer w12: v1(2215,1875) 2242,1848 3572,1848 v1(3630,1790)
PA9: DJ1.5 DJ1.6 U6.42 | length 2431.6
  Top Layer w10: v1(2100,1860) 2104.47,1855.53 2151.79,1855.53 2167.31,1840 v1(2210,1840)
  Top Layer w12: v1(3605,1770) 3614.53,1760.47 U6.42
  Bottom Layer w10: DJ1.5 DJ1.6 1949.61,1655 1985,1690.39 1985,1740 2010,1765 2042.31,1765 2080,1802.69 2080,1840 v1(2100,1860) ; v1(2210,1840) 2219,1831 3539,1831 3600,1770 v1(3605,1770)
PA10: "3 A11 A10 G.3" "3 A11 A10 G.4" U6.43 | length 2180.6
  Top Layer w10: v1(4395,2180) 4570,2180 4671.53,2281.53 5078.47,2281.53 5130,2230 5130,1815 5190,1755
  Top Layer w12: U6.43 3875.79,1740.79 3925,1790 v1(3945,1790)
  Bottom Layer w12: v1(3945,1790) 3990,1790 4380,2180 v1(4395,2180) ; 5190,1755 5290,1755
PA11: "3 A11 A10 G.5" "3 A11 A10 G.6" U6.44 | length 2261.5
  Top Layer w10: v1(4400,2145) 4570,2145 4690.53,2265.53 5070.43,2265.53 5110,2225.96 5110,1735 5190,1655
  Top Layer w12: U6.44 3884.75,1721.1 3923.65,1760 v1(3960,1760)
  Bottom Layer w10: 5190,1655 5290,1655
  Bottom Layer w12: v1(3960,1760) 4000,1760 4385,2145 v1(4400,2145)
PA12: ?.1@3200,1390 U6.45 | length 784.8
  Top Layer w12: ?.1@3200,1390 3505,1390 3635,1520 3635,1624.58 3711.84,1701.42 U6.45
PA15: A15.1 U6.50 | length 485.6
  Top Layer w12: A15.1 3800,1367.64 3887.05,1454.69 U6.50
PB0: "B1 0 C5 4 A7 6 5 4.2" U6.26 | length 621
  Top Layer w10: 3925,2565 3875,2515 3875,2290 3984.47,2180.53 3984.47,2011.47 U6.26
PB1: "B1 0 C5 4 A7 6 5 4.1" U6.27 | length 781.6
  Top Layer w10: 3825,2565 3770,2565 3735,2530 3735,2285 3785,2235 3890.79,2235 3965.79,2160 U6.27
PB2: 
PB3: B3.1 U6.55 | length 486.6
  Top Layer w12: B3.1 3898.42,1363.42 3985.47,1450.47 U6.55
PB4: "5V  PB4  B5  G.2" U6.56 | length 1218.1
  Top Layer w12: U6.56 4005.16,1642.36 4007.36,1642.36 v1(4020,1655)
  Bottom Layer w12: v1(4020,1655) 4020.16,1655 4490,1185.16 4490,1050 4660,880 4660,795
PB5: "5V  PB4  B5  G.3" U6.57 | length 1243.7
  Top Layer w12: U6.57 4024.84,1622.68 4044.53,1642.36 4053.36,1642.36 v1(4060,1649)
  Bottom Layer w12: v1(4060,1649) 4061,1649 4515,1195 4515,1070 4760,825 4760,795
PB6: U6.58 编码器1.2 | length 2879.2
  Top Layer w12: v1(4020,1465.47) 4044.53,1490 U6.58
  Bottom Layer w12: 编码器1.2 1995,730 1995,815 2025,845 3925,845 4020,940 v1(4020,1465.47)
PB7: U6.59 编码器1.3 | length 2993.3
  Top Layer w12: v1(4064.21,1474.05) U6.59
  Bottom Layer w12: 编码器1.3 1940,580 2025,665 2025,805 2045,825 3955,825 4064.21,934.21 v1(4064.21,1474.05)
PB8: ?.2@6170,735.35 U6.61 | length 2624.6
  Top Layer w12: U6.61 4103.58,1461.42 v1(4135,1430) ; v1(4370,950) 4395,925 5980.35,925 ?.2@6170,735.35
  Bottom Layer w12: v1(4135,1430) 4145,1430 4370,1205 v1(4370,950)
PB9: ?.2@6445,735.35 U6.62 | length 2835.8
  Top Layer w12: U6.62 4123.27,1486.73 v1(4130,1480) ; v1(4400,1005) 4455,950 6230.35,950 ?.2@6445,735.35
  Bottom Layer w12: v1(4130,1480) 4400,1210 v1(4400,1005)
PB10: "G 5 B10.1" U6.29 | length 583.5
  Top Layer w10: 3635,2400 3635,2315 3750,2200 3875,2200 3900,2175 3900,2105 3926.42,2078.58
  Top Layer w12: U6.29 3926.42,2078.58
PB11: ?.2@3700,1120 U6.30 | length 1194.7
  Top Layer w12: v1(3710,1360) 3710,1483.68 3941.32,1715 v1(3960,1715) ; v1(3898.42,2075) 3904.44,2075 3906.73,2072.71 U6.30
  Bottom Layer w12: ?.2@3700,1120 3710,1130 v1(3710,1360) ; v1(3898.42,2075) 3898.42,1735.46 3918.89,1715 v1(3960,1715)
PB12: U6.33
PB13: 6050.5 U6.34 | length 371.1
  Top Layer w12: 6050.5 3462.95,1917.95 U6.34
PB14: 6050.4 U6.35 | length 404.4
  Top Layer w12: 6050.4 3543.27,1898.27 U6.35
PB15: 6050.3 U6.36 | length 437.6
  Top Layer w12: 6050.3 3623.58,1878.58 U6.36
PC0: "A3 2 1 0 C3 2 1 0.8" U6.8 | length 792.2
  Top Layer w10: U6.8 4374.84,1780.16 4530.47,1624.53 4673.16,1624.53 4713.21,1584.47 4864.08,1584.47 4904.14,1624.53 4930,1624.53
PC1: "A3 2 1 0 C3 2 1 0.7" U6.9 | length 758.9
  Top Layer w10: U6.9 4390.16,1799.84 4505.53,1684.47 4590.84,1684.47 4846.79,1684.47 4886.84,1724.53 4930,1724.53
PC2: "A3 2 1 0 C3 2 1 0.6" U6.10 | length 766.6
  Top Layer w10: U6.10 4405.47,1819.53 4435,1790 4490,1735 4660,1735 4700,1775 4859.94,1775 4909.47,1824.53 4930,1824.53
PC3: "A3 2 1 0 C3 2 1 0.5" U6.11 | length 820.3
  Top Layer w12: U6.11 4420.79,1839.21 4499.53,1760.47 4632.89,1760.47 4670,1797.58 4670,1840.53 4704.47,1875 4880.47,1875 4930,1924.53
PC4: "B1 0 C5 4 A7 6 5 4.4" U6.24 | length 596
  Top Layer w10: U6.24 4024.84,2259.84 4081.53,2316.53 4081.53,2521.53 4125,2565
PC5: "B1 0 C5 4 A7 6 5 4.3" U6.25 | length 584.2
  Top Layer w10: U6.25 4005.16,2204.31 3979.29,2230.18 3979.29,2519.29 4025,2565
PC6: R102.1 U6.37 | length 699.4
  Top Layer w12: U6.37 4021.1,1858.9 4070,1810 v1(4090,1810) ; R102.1@4265,1520 4280,1520 v1(4280,1580)
  Bottom Layer w12: v1(4090,1810) 4280,1620 v1(4280,1580)
PC7: "3   G   C12 D2 C7.1" U6.38 | length 1495.8
  Top Layer w12: U6.38 3794.84,1838.9 3930,1838.9 4003.9,1765 v1(4044.53,1765)
  Bottom Layer w12: v1(4044.53,1765) 4047.5,1765 4497.5,1315 4755,1315 4980,1090
PC8: "N G G C9 C8 G.5" U6.39 | length 983.1
  Top Layer w12: v1(3700,1838.9) 3719.37,1819.53 U6.39
  Bottom Layer w12: 3315,2560 3315,2510 3570,2255 3570,1968.9 v1(3700,1838.9)
PC9: "N G G C9 C8 G.4" U6.40 | length 1070.1
  Top Layer w12: v1(3660,1815) 3675.16,1799.84 U6.40
  Bottom Layer w12: 3215,2560 3540,2235 3540,1935 v1(3660,1815)
PC10: ?.5 U6.51 | length 842.3
  Top Layer w12: U6.51 v1(3906.73,1645)
  Bottom Layer w12: ?.5 3250,1740 3710,1740 3795,1655 3896.73,1655 v1(3906.73,1645)
PC11: ?.4@3200,1690 U6.52 | length 1023.3
  Top Layer w12: v1(3920,1490) 3926.42,1496.42 U6.52
  Bottom Layer w12: ?.4@3200,1690 3315,1575 3315,1445 3345,1415 3845,1415 v1(3920,1490)
PC12: "3   G   C12 D2 C7.3" U6.53 | length 1198.4
  Top Layer w12: U6.53 3946.1,1660 3991.1,1705 v1(4007.91,1705)
  Bottom Layer w12: v1(4007.91,1705) 4040,1705 4068,1677 4068,1675.89 4473.89,1270 4600,1270 4780,1090
PC13: ?.1@4325,1605 U6.2 | length 129.6
  Top Layer w12: U6.2 4295.95,1662.05 4325,1633 ?.1@4325,1605
PC14: ?.1@4375,1605 U6.3 | length 186
  Top Layer w12: U6.3 4323.27,1681.73 4375,1630 ?.1@4375,1605
PC15: ?.1@4425,1604.58 U6.4 | length 244.5
  Top Layer w12: U6.4 4353.58,1701.42 4425,1630 ?.1@4425,1604.58
PPB10: U5.21
PPB11: U5.22
PPB12: U5.25
PPB13: U5.26
PPC13: ?.2@4325,1542.01 ?.R | length 2255.8
  Bottom Layer w12: v1(4325,1520) 4355,1490 4380,1490 4532,1338 6092,1338 6320,1110 v1(6320,1019.01)
PPC14: ?.2@4375,1542.01 ?.C | length 2098.3
  Bottom Layer w12: v1(4375,1520) 4385,1520 4545,1360 6110,1360 v1(6320,1150)
PPC15: ?.2@4425,1541.59 ?.B | length 2105.8
  Bottom Layer w12: v1(4427.5,1520) 4562.5,1385 6145,1385 v1(6380,1150)
RES: U6.7
SWCLK: swd.5 U6.49 | length 661.7
  Top Layer w12: swd.5 3559.83,1165 3867.36,1472.53 U6.49
SWCLK2: swd.6 U5.37 | length 839.5
  Top Layer w12: U5.37 2872.85,1661.73 2920,1614.58 2920,1435 3190,1165 swd.6
SWDIO: swd.3 U6.46 | length 935.3
  Top Layer w12: swd.3 3430,1070 3385,1115 3385,1195 3405,1215 3555,1215 3660,1320 3660,1619.61 3722.12,1681.73 U6.46
SWDIO2: swd.4 U5.34 | length 898.5
  Top Layer w12: U5.34 2703.9,1521.1 2722,1503 2797,1503 3235,1065 swd.4
U23RX: U5.31
U23TX: ?.1@3600,1120 U5.30 | length 1294.2
  Top Layer w12: U5.30 2625.16,1544.84 2685,1485 2760,1485 3225.99,1019.01 3499.01,1019.01 ?.1@3600,1120
VIN: DC.1 U3.1 VIN.1 | length 1401.1
  Top Layer w30: U3.1 3190.23,704.09 DC.1 3915.91,720 4244.96,720 VIN.1
pads on no net: 2K.1 6050.6 "3   G   C12 D2 C7.2" "N G G C9 C8 G.1" ?.1@2565,1420 ?.1@6170,570 ?.1@6445,570 ?.2@2565,1510.55 ?.4@6256.61,735.35 ?.4@6531.61,735.35 ?.6 ?.7 U5.2 U5.3 U5.4 U5.27 U5.28 U5.29 U5.32 U5.33 U5.38 U5.39 U5.40 U5.41 U5.42 U5.43 U5.45 U5.46 U6.54
copper on no net: | length 1547.8
  Top Layer w12: 2566.1,1485.5 2566.1,1530 ; 2566.1,1522 2566.1,1604.58 ; 3965.79,1569.53 3965.79,1639.61 4007.36,1681.18 4007.91,1681.73 v1@4085.04,1681.73
  Bottom Layer w12: v1(2550,1440) 2546.42,1436.42 2546.42,1415 2546.42,1338.58 2585,1300 ; v1(4090,1685) 4480,1295 4685,1295 4850,1130 ; 4840,1140 4880,1100 4880,1090
  other v2: 590,197 6105,197 197,3150 6495,3150
  other v3: 985,590 5710,590 5710,2560
  other v4: 985,2560

## Polygon pours and split planes (outlines as drawn)
GND on Bottom Layer "Bottom Layer-No Net" (solid, pour order 8): 1396.78,2875 5405,2875 5405,0 1421.78,0
GND on Top Layer "Top Layer-No Net" (solid, pour order 6): 1395.44,2874.27 5410,2874.27 5410,0 1420.44,0

## Other copper
Top Layer:
  text "快乐风男" at 85,1493.46 h400 r270

## Silkscreen, mask and mechanical layers (free items; w line width, h text height)
Top Overlay:
  circle w0.5: c197.1,3149.86 r82.68
  circle w0.5: c984.5,590.8 r62.99
  circle w0.5: c590.8,197.1 r82.68
  circle w0.5: c6102.61,197.1 r82.68
  circle w0.5: c5708.91,590.8 r62.99
  circle w0.5: c6496.31,3149.86 r82.68
  circle w0.5: c5708.91,2559.31 r62.99
  circle w0.5: c984.5,2559.31 r62.99
  text "G 5" at 4583,2505 h100 r270
  text "G A8 A9 3V" at 1725,1955 h100 r270
  text "N C10 11 G  5 12" at 3260,1945 h80 r270
  text "星语V1.4" at 1975,1222 h150
  text "5V" at 2030,765 h60
  text "B6" at 2035,665 h60
  text "B7" at 2030,560 h60
  text "G" at 2020,440 h60
Top Solder:
  text "快乐风男" at 85,1493.46 h400 r270
Mechanical 1:
  lines w0.5: 0.25,157.73 ccw(c157.73,157.73) 157.73,0.25 6535.68,0.25 ccw(c6535.68,157.73) 6693.16,157.73 6693.16,3071.12 ccw(c6220.72,3071.12) 6220.72,3543.56 5984.5,3543.56 ccw(c5984.5,3386.08) 5827.02,3386.08 5827.02,3031.75 cw(c5669.54,3031.75) 5669.54,2874.27 1023.87,2874.27 cw(c1023.87,3031.75) 866.39,3031.75 866.39,3386.08 ccw(c708.91,3386.08) 708.91,3543.56 472.69,3543.56 ccw(c472.69,3071.12) 0.25,3071.12 0.25,157.73

## Text inside footprints (layer, text, board x,y; h text height)
C14: Top Overlay "+" at 2705.52,1063 h40
C15: Top Overlay "+" at 3384.52,2177 h40 r180
POW: Top Overlay "+" at 2464.68,179.65 h40 r90
VIN: Top Overlay "+" at 4438,599.48 h40 r270
?: Top Overlay "+" at 6302.07,1206.02 h39.37 r270
?: Top Overlay "+" at 2584.68,1345.2 h39.37 r90